# Altium PCB HV Interface.PcbDoc (part 1 of 3)
Units mil, origin at the board's own origin, x right, y up, seen from the top; angles counter-clockwise.
Board outline 6200 x 4300 mil, 2 copper layers (Top Layer, Bottom Layer), stack 59.8 mil thick; 137 components, 86 nets, 402 pads, 288 vias.
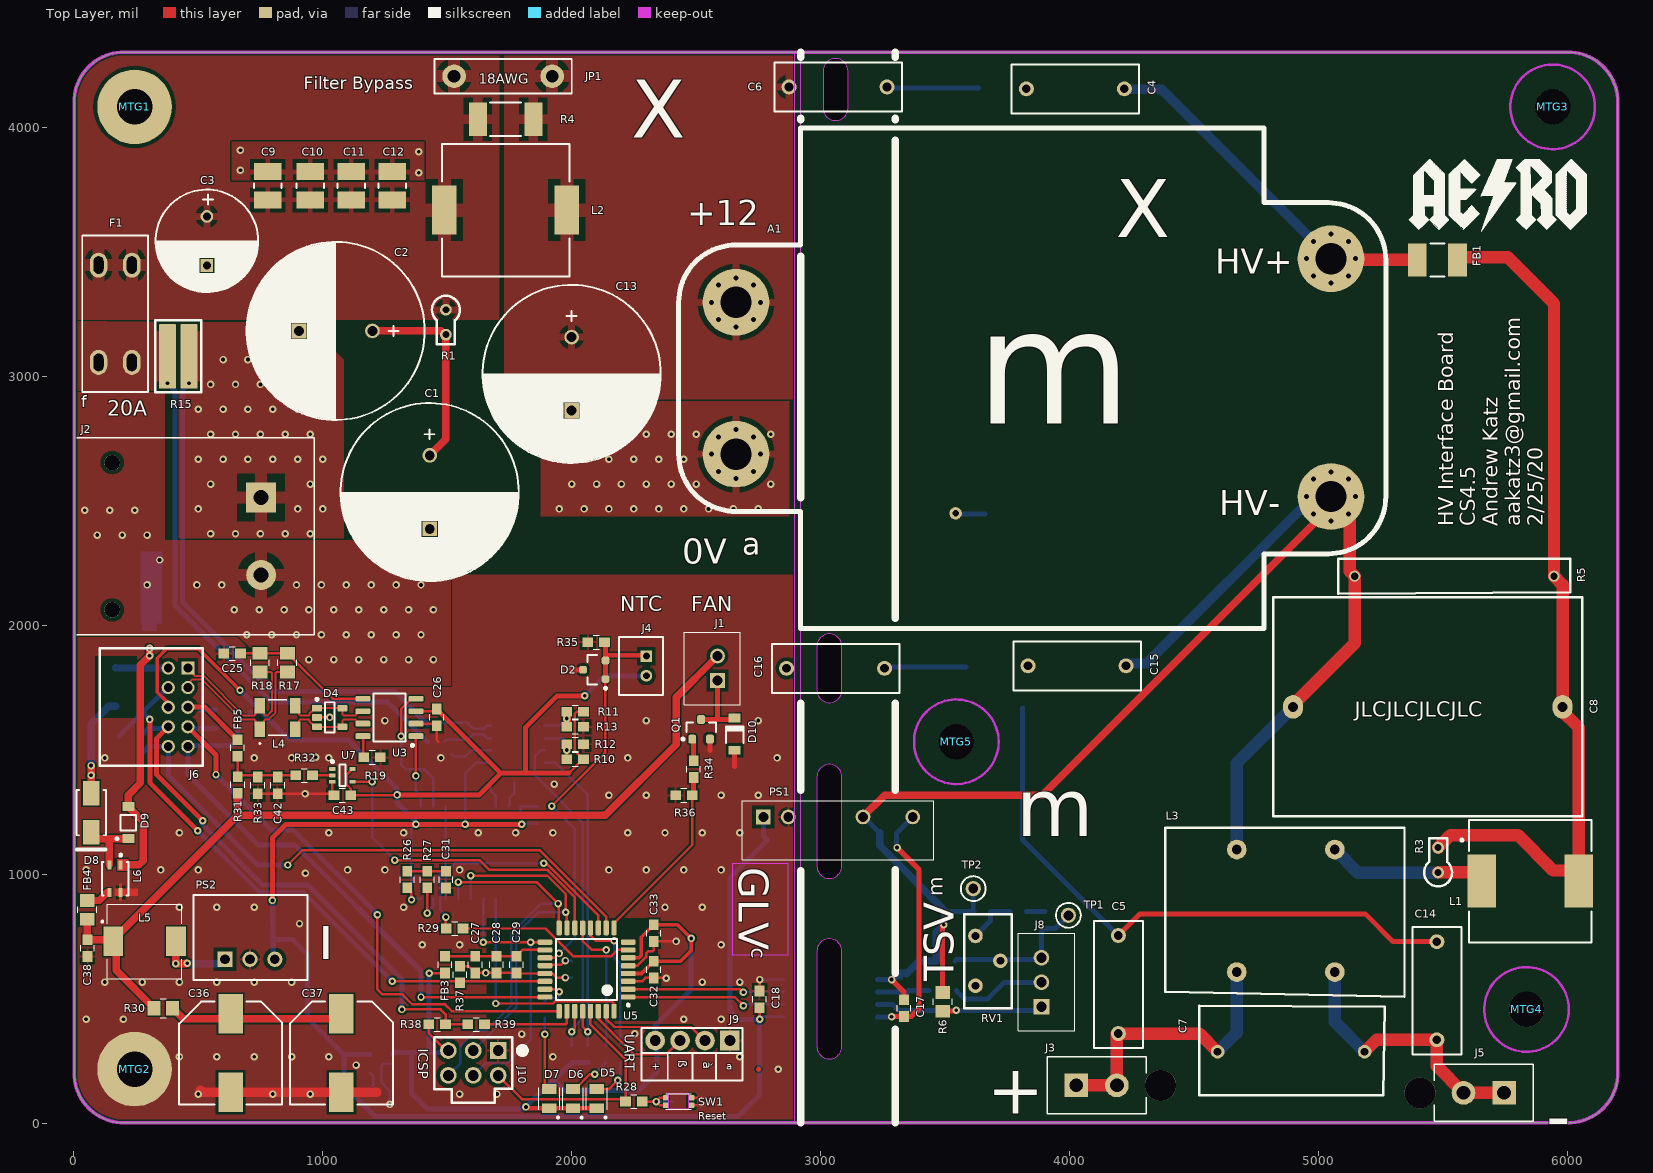
[diagram p0: Top Layer view]
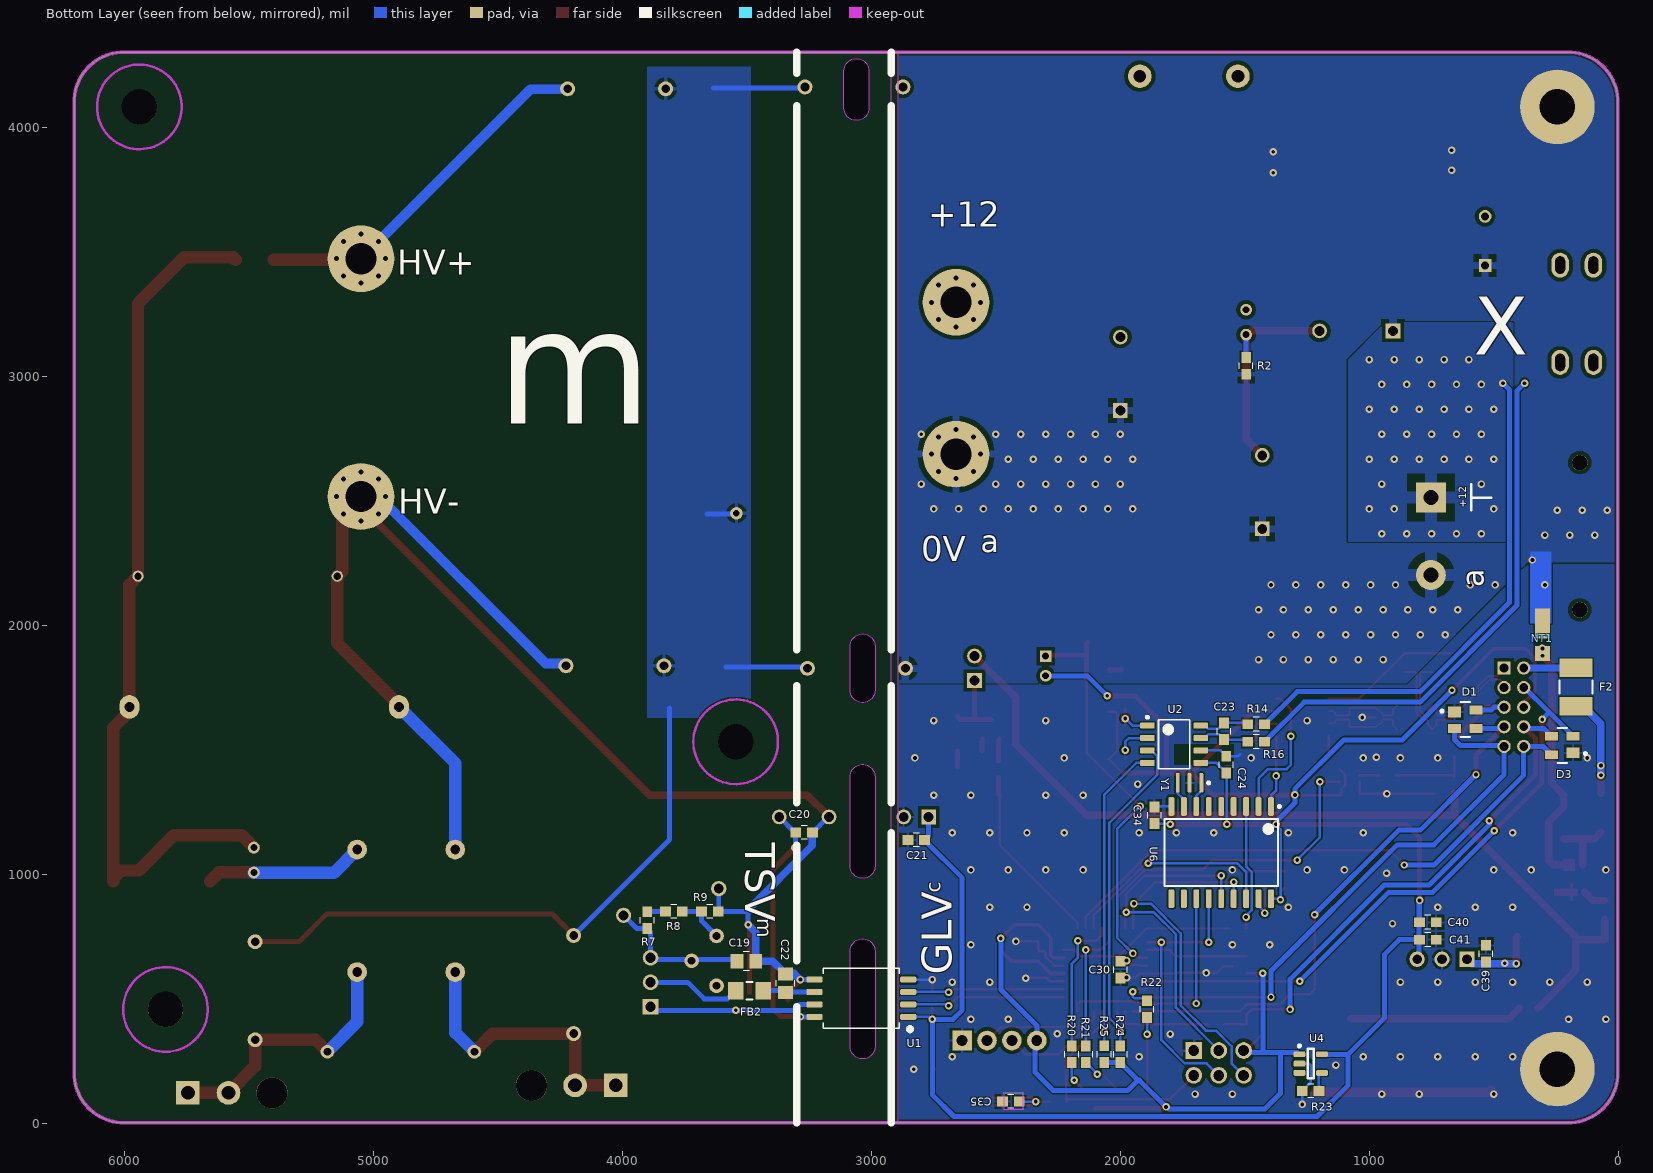
[diagram p1: Bottom Layer view, seen from below]
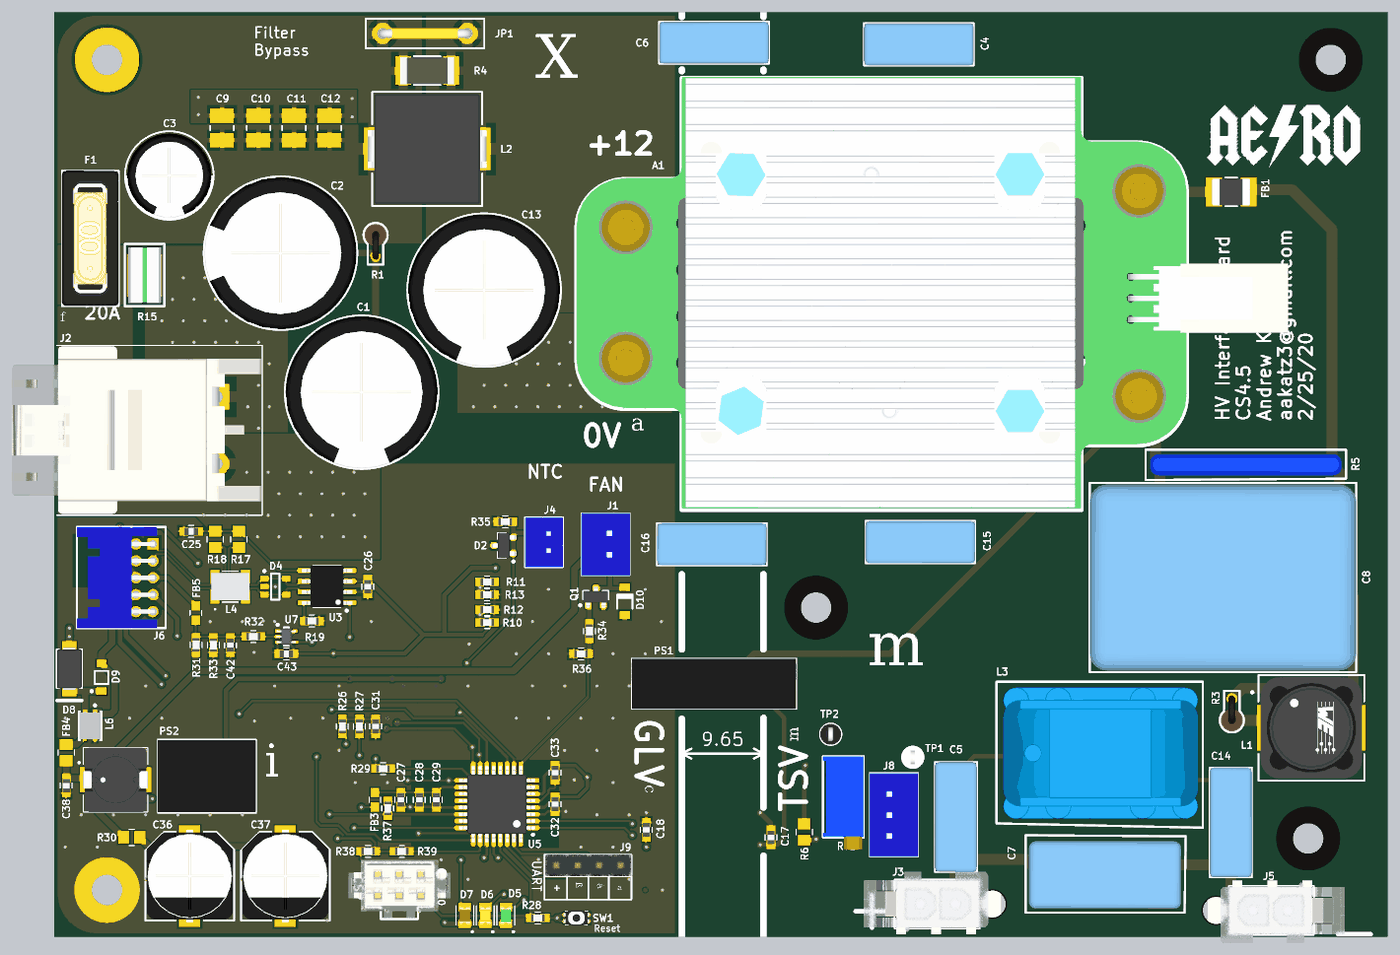
[diagram p4: 3D render of the assembled board from above, using the file's embedded part models]
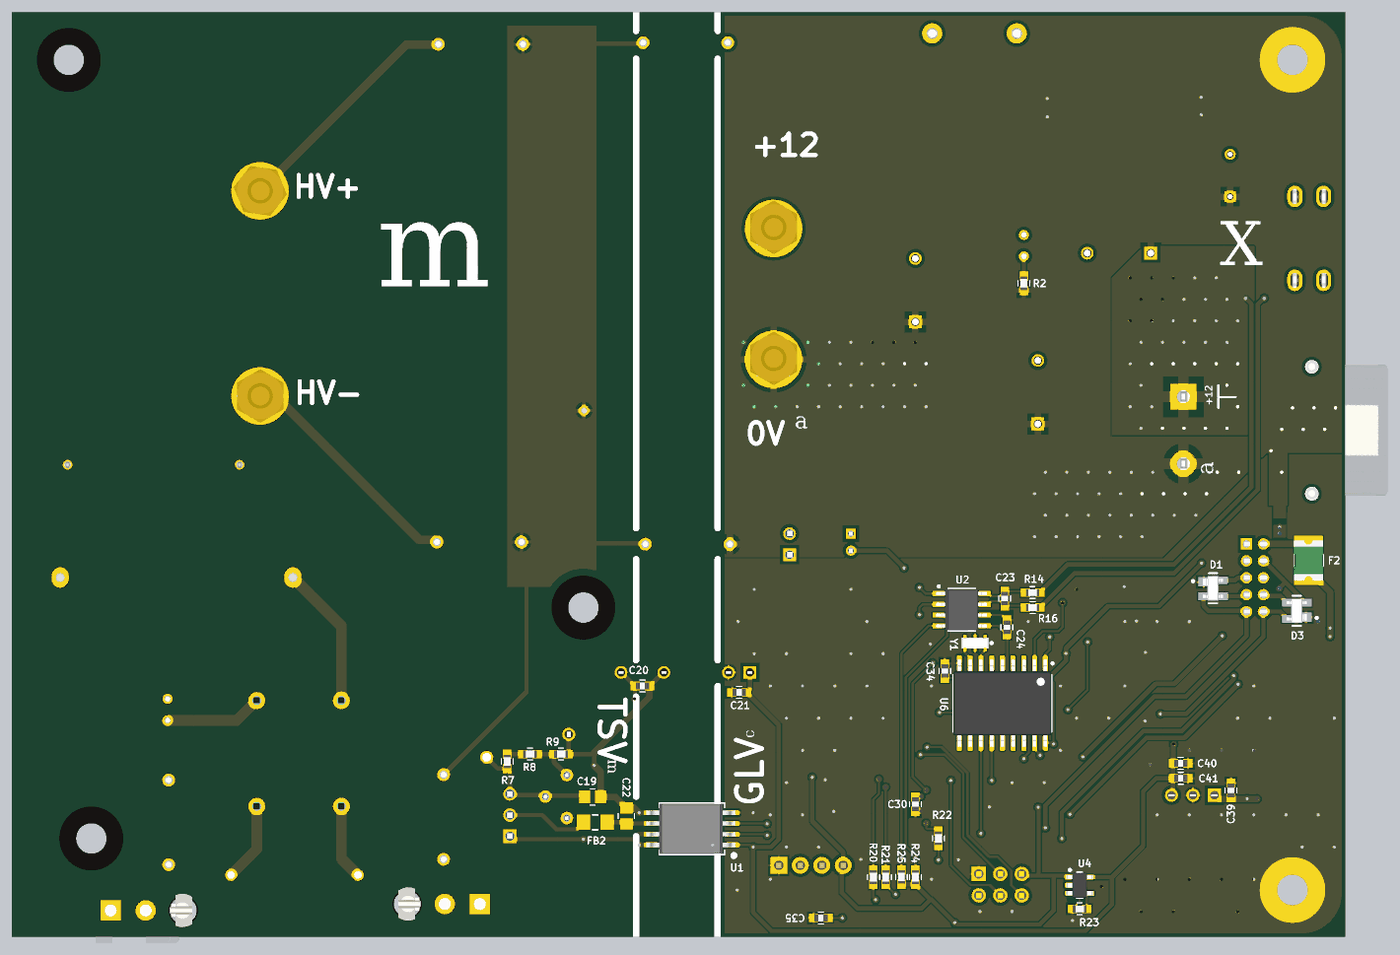
[diagram p5: 3D render of the assembled board from below, using the file's embedded part models]

## Layer stack, top to bottom
Top Solder: solder mask 0.7874, Green Mask, Dk 4
Top Layer: signal copper 1.4
Core: core 57, FR-4, Dk 4.2
Bottom Layer: signal copper 1.4
Bottom Solder: solder mask 0.7874, Green Mask, Dk 4

## Board outline
1.93,204.68 ccw(c201.93,204.68) 201.93,4.68 6001.93,4.68 ccw(c6001.93,204.68) 6201.93,204.68 6201.93,4104.68 ccw(c6001.93,4104.68) 6001.93,4304.68 201.93,4304.68 ccw(c201.93,4104.68) 1.93,4104.68
cut-out: 2984.99,311 ccw(c3035,311) 3085.01,311 3085.01,694 ccw(c3035,694) 2984.99,694
cut-out: 2984.99,1036 ccw(c3035,1036) 3085.01,1036 3085.01,1394 ccw(c3035,1394) 2984.99,1394
cut-out: 2984.99,1742 ccw(c3035,1742) 3085.01,1742 3085.01,1918 ccw(c3035,1918) 2984.99,1918
cut-out: 3009.99,4080 ccw(c3060,4080) 3110.01,4080 3110.01,4229 ccw(c3060,4229) 3009.99,4229

## Design rules (kind name [scope] priority, off if disabled: settings)
AcuteAngle [All] p1: minimum=6.00000000000000E+0001 checktracksonly=FALSE
AssemblyTestPointUsage [All] p1: valid=2
AssemblyTestpoint [All] p1: testpointundercomponent=TRUE minsize=30 maxsize=100 preferedsize=60 minholesize=0 maxholesize=40 preferedholesize=32 testpointgrid=1 usegrid=FALSE gridtolerance=0.01 allowsidetop=TRUE allowsidebottom=TRUE
Clearance Clearance_1 [IsStitchingVia vs (OnLayer('Top Overlay'))] p1: gap=6 ignorepadtopadclearanceinfootprint=FALSE except(0: Arc-Hole Track-Hole SMDPad-Hole THPad-Hole Via-Hole Fill-Hole Poly-Hole Region-Hole Text-Hole; 10: Arc-THPad Arc-Text Track-THPad Track-Text SMDPad-THPad SMDPad-Text THPad-THPad THPad-Text Fill-Text Poly-Text Region-Text Text-Text; 15: Via-Text)
Clearance [All] p2: gap=6 ignorepadtopadclearanceinfootprint=FALSE except(0: Arc-Hole Track-Hole SMDPad-Hole THPad-Hole Via-Hole Fill-Hole Poly-Hole Region-Hole Text-Hole; 8: Via-Poly; 10: Arc-THPad Arc-Text Track-THPad Track-Text SMDPad-THPad SMDPad-Text THPad-THPad THPad-Via THPad-Fill THPad-Region THPad-Text Via-Text Fill-Text Poly-Text Region-Text Text-Text; 15: THPad-Poly)
ComponentClearance [All vs NOT (IsNetTieComponent or HasFootprint('60MIL_TIE') or InComponentClass('NET_TIE') OR InComponent('NT1'))] p1: gap=10 collisioncheckmode=3 verticalgap=5 showdistances=FALSE
Creepage [InNetClass('TS') vs Not InNetClass('TS') AND Not IsBoardCutoutRegion] p1: checkdistance=374.02 ignoreinternallayers=FALSE
DiffPairsRouting CAN [InDifferentialPairClass('CAN')] p1: maxlimit=7.41 minlimit=7.01 mostfreqgap=7.01 toplayer_minwidth=7.99 toplayer_maxwidth=7.99 toplayer_prefwidth=7.99 bottomlayer_minwidth=7.99 bottomlayer_maxwidth=7.99 bottomlayer_prefwidth=7.99 impedanceprofiledriven=TRUE impedanceprofileid={457D5A52-D69E-4056-AA85-FDBB89951F1F} impedanceprofilevalue=120.000000 maxuncoupledlength=500
DiffPairsRouting [All] p2: maxlimit=10 minlimit=6 mostfreqgap=10 toplayer_minwidth=10 toplayer_maxwidth=15 toplayer_prefwidth=15 bottomlayer_minwidth=10 bottomlayer_maxwidth=15 bottomlayer_prefwidth=15 maxuncoupledlength=500
FabricationTestPointUsage [All] p1: valid=2 allowmultiple=FALSE
FabricationTestpoint [All] p1: side=3 testpointundercomponent=TRUE minsize=20 maxsize=100 preferedsize=60 minholesize=0 maxholesize=40 preferedholesize=32 testpointgrid=1 allowsidetop=TRUE allowsidebottom=TRUE usegrid=FALSE gridtolerance=0.01
FlightTimeFalling [(InNet('CLKOUT') OR InNet('MCUCLK'))] p1: maximum=5.000
FlightTimeRising [(InNet('CLKOUT') OR InNet('MCUCLK'))] p1: maximum=5.000
Height [All] p1: minheight=0 maxheight=99999 prefheight=500
HoleSize [All] p1: absolutevalues=TRUE maxlimit=200 minlimit=7.87 maxpercent=80.000 minpercent=20.000
MinimumAnnularRing [All] p1: minimumring=3
MinimumSolderMaskSliver [All] p1: minsoldermaskwidth=1
NetAntennae [Not (InNetClass('HICUR') and IsVia)] p1: netantennaetolerance=0
OvershootFalling [(InNet('CLKOUT') OR InNet('MCUCLK'))] p1: maximum=1.000
OvershootRising [(InNet('CLKOUT') OR InNet('MCUCLK'))] p1: maximum=1.000
PasteMaskExpansion PasteMaskExpansion_1 [IsSMTPin] p1: expansion=0
PasteMaskExpansion [All] p2: expansion=-1000
PolygonConnect HIGHCUR_PLANE [InPolygonClass('HIGHCUR')] p1: thpad.connectstyle=Relief thpad.reliefconductorwidth=30 thpad.reliefentries=4 thpad.polygonreliefangle="90 Angle" thpad.airgapwidth=20 smdpad.connectstyle=Relief smdpad.reliefconductorwidth=20 smdpad.reliefentries=4 smdpad.polygonreliefangle="90 Angle" smdpad.airgapwidth=15 via.connectstyle=Direct via.reliefconductorwidth=10 via.reliefentries=4 via.polygonreliefangle="90 Angle" via.airgapwidth=10
PolygonConnect GNDPolyConnectDecap [InPolygonClass('GNDPolys') vs (HasFootprint('0603') OR HasFootprint('0603_RES') OR HasFootprint('0603_CAP'))] p2: thpad.connectstyle=Relief thpad.reliefconductorwidth=10 thpad.reliefentries=4 thpad.polygonreliefangle="90 Angle" thpad.airgapwidth=10 smdpad.connectstyle=Relief smdpad.reliefconductorwidth=10 smdpad.reliefentries=4 smdpad.polygonreliefangle="90 Angle" smdpad.airgapwidth=10 via.connectstyle=Direct via.reliefconductorwidth=10 via.reliefentries=4 via.polygonreliefangle="90 Angle" via.airgapwidth=10
PolygonConnect GNDPolyConnect [InPolygonClass('GNDPolys')] p3: thpad.connectstyle=Relief thpad.reliefconductorwidth=10 thpad.reliefentries=4 thpad.polygonreliefangle="90 Angle" thpad.airgapwidth=10 smdpad.connectstyle=NoConnect smdpad.reliefconductorwidth=10 smdpad.reliefentries=4 smdpad.polygonreliefangle="90 Angle" smdpad.airgapwidth=10 via.connectstyle=Direct via.reliefconductorwidth=10 via.reliefentries=4 via.polygonreliefangle="90 Angle" via.airgapwidth=10
PolygonConnect [All] p4: thpad.connectstyle=Relief thpad.reliefconductorwidth=15 thpad.reliefentries=4 thpad.polygonreliefangle="90 Angle" thpad.airgapwidth=15 smdpad.connectstyle=Relief smdpad.reliefconductorwidth=10 smdpad.reliefentries=4 smdpad.polygonreliefangle="90 Angle" smdpad.airgapwidth=10 via.connectstyle=Direct via.reliefconductorwidth=10 via.reliefentries=4 via.polygonreliefangle="90 Angle" via.airgapwidth=10
RoutingCorners [All] p1: cornerstyle=45-Degree minsetback=100 maxsetback=300
RoutingVias [Not InAnyComponent] p1: holewidth=15 width=30 viastyle="Through Hole" minholewidth=8.27 minwidth=15.75 maxholewidth=50 maxwidth=100
SMDNeckDown [OnLayer('Top Layer')  and not InNetClass('PWR')  and not IsPad] p1: percent=95.000
SMDToCorner [All] p1: distance=10000
SMDToPlane [All] p1: distance=200000
SignalBaseValue [(InNet('CLKOUT') OR InNet('MCUCLK'))] p1: maximum=250.0m
SignalStimulus [(InNet('CLKOUT') OR InNet('MCUCLK'))] p1: kind=2 level=0 starttime=0.000 stoptime=31.25n periodtime=62.50n
SignalTopValue [(InNet('CLKOUT') OR InNet('MCUCLK'))] p1: minimum=4.500
SilkToSolderMaskClearance [IsPad     or IsVia] p1: minsilkscreentomaskgap=1.8 clearancetoexposedcopper=TRUE
SolderMaskExpansion Via [IsVia] p1: expansion=4 istentingtop=TRUE
SolderMaskExpansion [All] p2: expansion=2.5 istentingtop=FALSE
SupplyNets [InNetClass('PWR')] p1: voltage=5.000
UnConnectedPin [All] p1 off:
UnRoutedNet [All] p1: checkbadconnections=TRUE
UndershootFalling [(InNet('CLKOUT') OR InNet('MCUCLK'))] p1: maximum=1.000
UndershootRising [(InNet('CLKOUT') OR InNet('MCUCLK'))] p1: maximum=1.000
Width CurMon [InNetClass('R15_Nets') and OnBottomLayer] p1: maxlimit=50 minlimit=10 preferedwidth=20 minimp=50.000000 maximp=50.000000 favimp=50.000000
Width HIGHCUR [InNetClass('HICUR')] p2: maxlimit=2000 minlimit=800 preferedwidth=1200 minimp=50.000000 maximp=50.000000 favimp=50.000000
Width Width_1 [InNetClass('PWR')] p3: maxlimit=80 minlimit=10 preferedwidth=20 minimp=50.000000 maximp=50.000000 favimp=50.000000
Width [All] p4: maxlimit=100 minlimit=8 preferedwidth=10 minimp=50.000000 maximp=50.000000 favimp=50.000000
16 further rules are at their usual default settings.

## Classes and differential pairs
net class X2_Nets: m PGND
net class X1_Nets: BASE PGND
net class I1_Nets: DCDC_OUT+ m
net class TP2_Nets: HV-
net class TP1_Nets: TRIM
net class R32_Nets: BENDER_FB NetR32_1
net class R23_Nets: GND NetR23_2
net class R19_Nets: GND NetR19_2
net class RV1_Nets: NetR8_1 NetRV1_1 TRIM
net class R33_Nets: BENDER_FB GND
net class R28_Nets: \MCURST NetC35_2
net class R9_Nets: HV- NetR8_1
net class R8_Nets: NetR7_1 NetR8_1
net class C40_Nets: +5 GND
net class C39_Nets: GND NetC39_2
net class C35_Nets: GND NetC35_2
net class C32_Nets: +5_MCU GND
net class C21_Nets: +5 GND
net class MTG5_Nets: NetMTG5_1
polygon class HIGHCUR: +DCDC_OUT_L01_P015 +DCDC_OUT_L02_P002 DCDC_OUT+_L01_P007 FILT_L01_P006 PGND PGND_L01_P005 PGND_L01_P009 PGND_L02_P008 VICOR_OUT_L01_P003
net class FB1_Nets: HV+ HV+_FIL
net class R29_Nets: CLKOUT MCUCLK
component class NET_TIE: NT1
net class R7_Nets: NetR7_1 TRIM
net class R2_Nets: DCDC_CAP PGND
net class J7_Nets: NetJ7_1
net class J2_Nets: +DCDC_OUT PGND
net class D2_Nets: GND VICOR_NTC
net class C41_Nets: +5 GND
net class C24_Nets: +5 GND
net class C26_Nets: +5 GND
net class C16_Nets: BASE PGND
net class C13_Nets: PGND VICOR_OUT
net class C11_Nets: FILT PGND
net class C10_Nets: FILT PGND
net class C3_Nets: FILT PGND
net class C2_Nets: DCDC_CAP PGND
net class C1_Nets: DCDC_CAP PGND
net class HICUR: +DCDC_OUT DCDC_OUT+ FILT PGND VICOR_OUT
net class R39_Nets: TS_DET TS_DET_IN
net class R38_Nets: +5_MCU TS_DET_IN
net class R22_Nets: \LED3 \LED3_RES
net class NT1_Nets: IN- PGND
net class D7_Nets: +5_MCU \LED3_RES
net class R1_Nets: DCDC_CAP FILT
net class PWR: 12V_CAP +5 +5_MCU +12 D+ FUSED GND IN+ IN- L+ NetC39_2
net class PWR_RAIL: +5 +5_MCU
net class L6_Nets: D+ GND IN- L+
net class D9_Nets: D+ IN-
net class C43_Nets: +5 GND
net class C33_Nets: +5_MCU GND
net class C18_Nets: +5 GND
net class C17_Nets: +3.3_HV HV-
net class C37_Nets: 12V_CAP GND
net class J6_Nets: +5 BENDER_PWM BSPD_FAULT CAN_N CAN_P CUR_OUT EXT_NTC_N FAN2_PWM IN+ TS_DET_IN
net class C30_Nets: AREF GND
net class TS: +3.3_HV BASE EN_FB EN_HV FAULT_HV HV+ HV+_CMC HV+_FIL HV- HV_IN+ HV_IN- NetR7_1 NetR8_1 TRIM
net class TS_L: +3.3_HV EN_FB EN_HV FAULT_HV HV- HV_IN- TRIM
net class TS_H: HV+_CMC HV+_FIL HV_IN+
net class R16_Nets: CUR_N DCDC_OUT+
net class R14_Nets: +DCDC_OUT CUR_P
net class R13_Nets: A1 GND
net class R12_Nets: A0 GND
net class R11_Nets: +5 A1
net class R10_Nets: +5 A0
net class C23_Nets: CUR_N CUR_P
net class PS1_Nets: +3.3_HV +5 GND HV-
net class C27_Nets: +5_AVCC GND
net class MTG4_Nets: NetMTG4_1
net class MTG3_Nets: NetMTG3_1
net class MTG2_Nets: GND
net class MTG1_Nets: PGND
net class C42_Nets: BENDER_FB GND
net class R25_Nets: +5_MCU I2C.SCL
net class R24_Nets: +5_MCU I2C.SDA
net class L5_Nets: +12 NetC39_2
net class C34_Nets: +5 GND
net class C28_Nets: +5_AVCC GND
net class L2_Nets: FILT VICOR_OUT
net class R4_Nets: FILT VICOR_OUT
net class JP1_Nets: FILT VICOR_OUT
net class C8_Nets: HV+_FIL HV-
net class U7_Nets: +5 BENDER_STAT GND NetR32_1 NetU8_1
net class R37_Nets: EXT_NTC_N GND
net class R35_Nets: GND VICOR_NTC
net class R36_Nets: FAN1_PWM GND
net class R34_Nets: FAN1_FET FAN1_PWM
net class R31_Nets: +12 BENDER_FB
net class Q1_Nets: FAN1- FAN1_FET GND
net class J4_Nets: +5 VICOR_NTC
net class J1_Nets: +12 FAN1-
net class FB5_Nets: BENDER_FB BENDER_PWM
net class D10_Nets: FAN1- GND
net class D6_Nets: +5_MCU \LED2_RES
net class D5_Nets: +5_MCU \LED1_RES
net class D4_Nets: CAN_IC_N CAN_IC_P GND
net class R5_Nets: HV+_FIL HV-
component class U_IO: C42 C43 D10 FB5 Q1 R31 R32 R33 R34 R35 R36 R37 R38 R39 U7
polygon class GNDPolys: BOT_GND TOP_GND
net class R20_Nets: \LED1 \LED1_RES
net class D3_Nets: EXT_NTC_N FAN2_PWM GND TS_DET_IN